# Altium PCB Test.PcbDoc (part 2 of 7)
Units mm, origin at the board's own origin, x right, y up, seen from the top; angles counter-clockwise.
Board outline 127 x 60.96 mm, 8 copper layers (TOP, LY2 - GND, LY3 - SIG, LY4 - GND, LY5 - SIG, LY6 - SIG, LY7 - GND, BOTTOM), stack 1.458 mm thick; 279 components, 237 nets, 1232 pads, 1515 vias.
Unrouted connection lines stored in the file: 100.
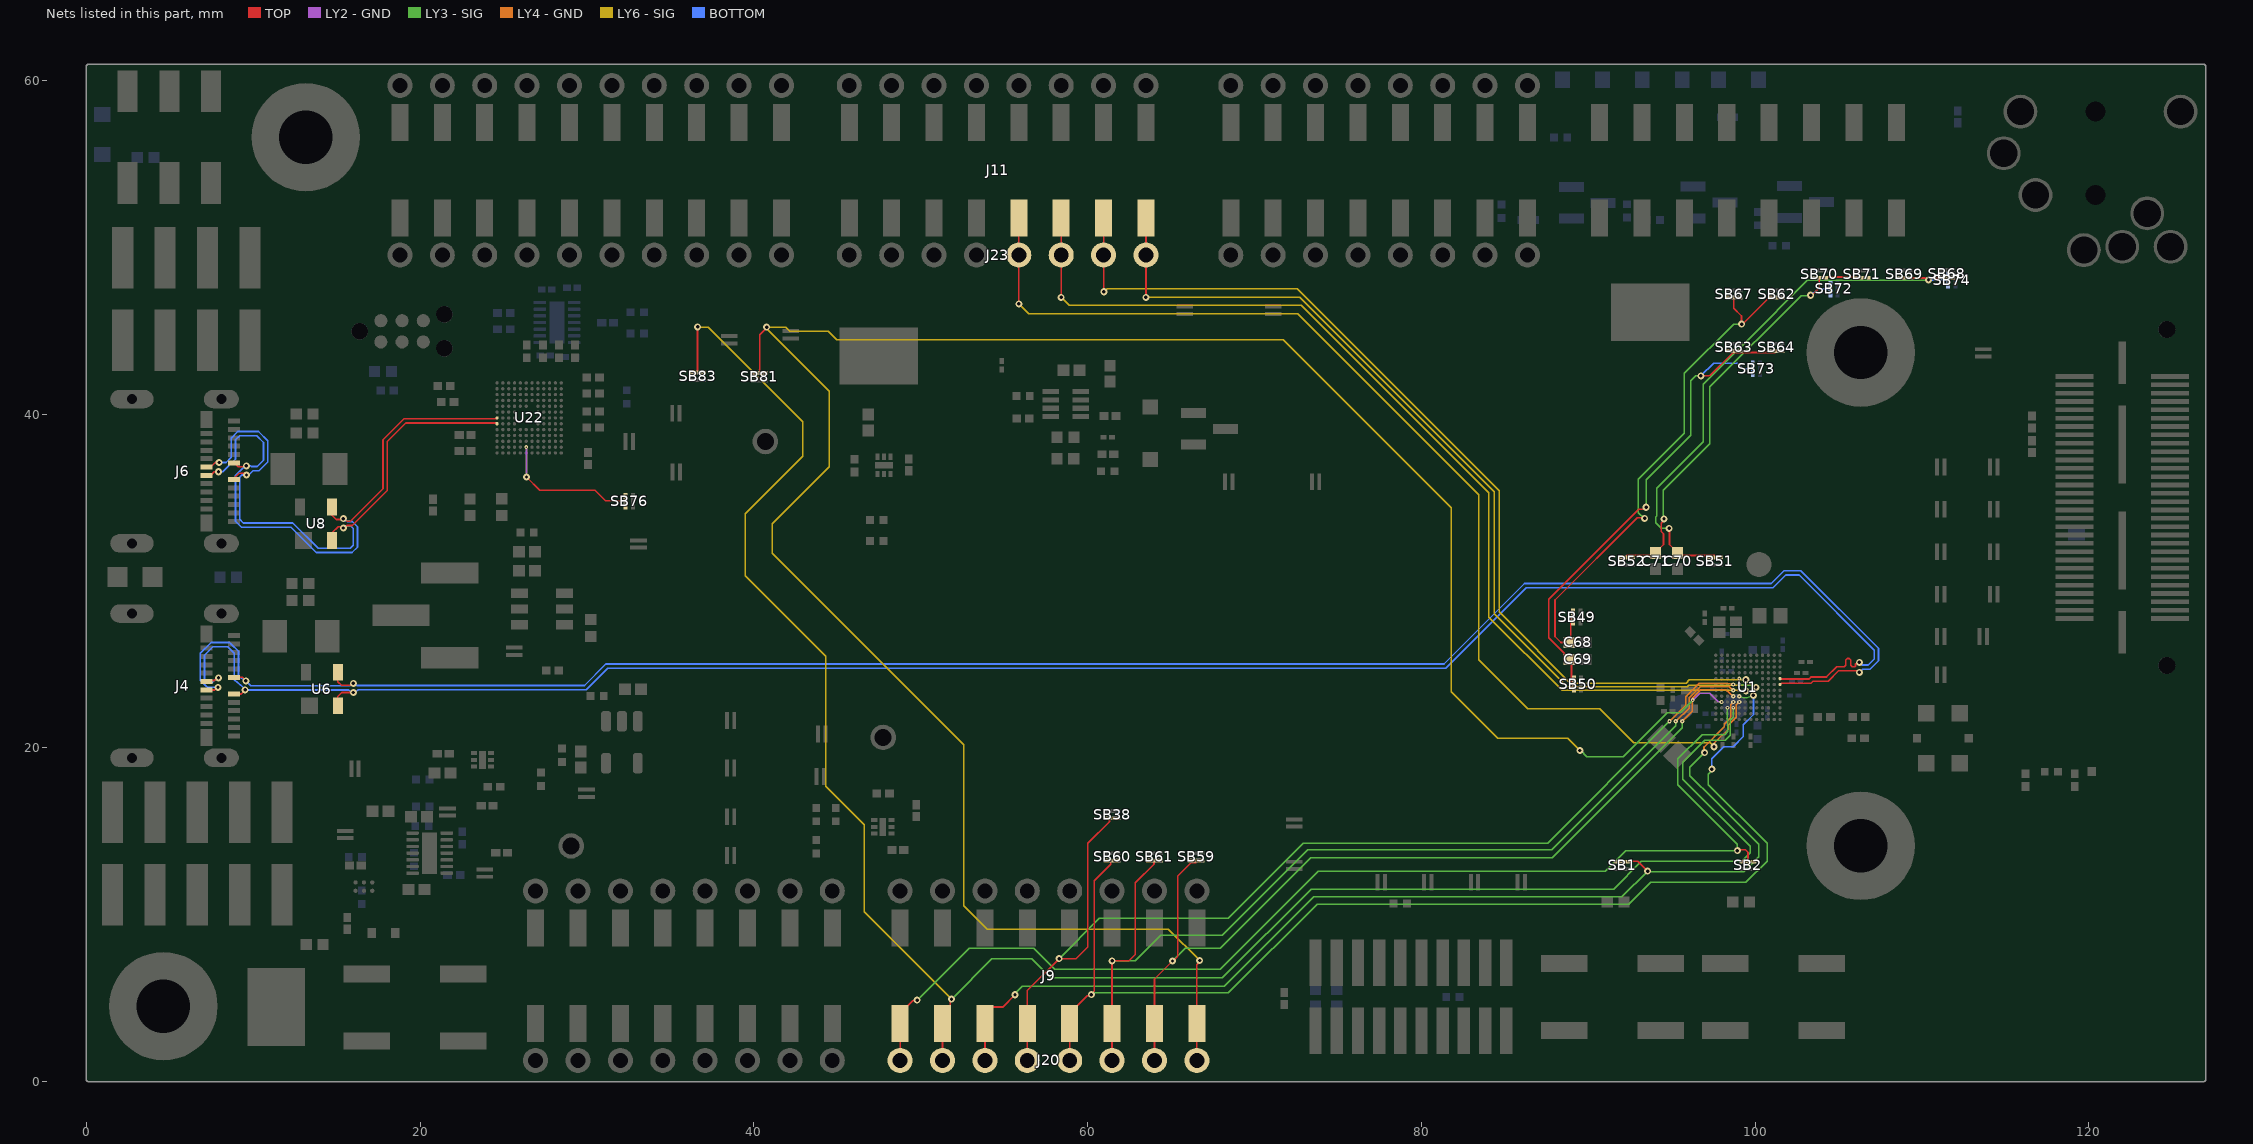
[diagram p8: the nets of this part, all layers, seen from the top]

## Part data
A1: library part PCB_ANTENNA, "None", AMBIQ PN=PCB_ANTENNA
C1 C29 C39 C41 C46 C64 C66 C76 C77 C85 C96: library part 0201ZD104KAT2A, "NONE", Case Code (Imperial)=0201, Case Code (Metric)=0603, Manufacturer="Kyocera AVX", Max Operating Temperature=85癈, Min Operating Temperature=-55癈, Tolerance=10%, Voltage Rating=10V, AMBIQ PN=0201ZD104KAT2A, Capacitance=100nF, Case/Package=0201, Category="Ceramic Capacitors", ComponentLink1Description=http://www.mouser.com/ds/2/40/cx5r-776519.pdf?src-supplier=Mouser, ComponentLink1URL=http://www.mouser.com/ds/2/40/cx5r-776519.pdf?src-supplier=Mouser, Lead Free="Lead Free", Manufacturer Part Number=0201ZD104KAT2A, Mount="Surface Mount", Packaging="Tape and Reel", Pricing 1="15000=0.00770, 30000=0.00750, 45000=0.00740, 60000=0.00720, 75000=0.00690, 150000=0.00620 (USD)", RoHS=Yes, RoHS Compliant=Yes, Series=-, Stock 1=105000, Supplier 1="Arrow Electronics", Supplier Part Number 1=0201ZD104KAT2A, Voltage Rating (DC)=10V
C2 C3 C5: library part GRM1555C1H2R0WA01D, "NONE", Case Code (Imperial)=0402, Case Code (Metric)=1005, Dielectric=C0G, Manufacturer=Murata, Tolerance=1%, AMBIQ PN=GRM1555C1H2R0WA01D, Capacitance=2pF, Case/Package=0402, Category="Ceramic Capacitors", Manufacturer Part Number=GRM1555C1H2R0WA01D, Mount="Surface Mount", Pricing 1="1=0.10000, 10=0.05720, 25=0.05660, 100=0.03540, 250=0.03000 (USD)", RoHS=Yes, Stock 1=54, Supplier 1="Arrow Electronics", Supplier Part Number 1=GRM1555C1H2R0WA01D
C4: library part GRM1555C1H1R5CA01D, "NONE", Case Code (Imperial)=0402, Case Code (Metric)=1005, Manufacturer=Murata, AMBIQ PN=GRM1555C1H1R5CA01D, Capacitance=1.5pF, Case/Package=0402, Category="Ceramic Capacitors", Manufacturer Part Number=GRM1555C1H1R5CA01D, Mount="Surface Mount", Mounting Technology="Surface Mount", Pricing 1="10000=0.00487, 20000=0.00476, 40000=0.00465 (USD)", RoHS=Yes, Stock 1=20000, Supplier 1=Avnet, Supplier Part Number 1=GRM1555C1H1R5CA01D
C6 C38: library part GRM155R60G475ME87D, "NONE", Case Code (Imperial)=0402, Case Code (Metric)=1005, Dielectric=X5R, Manufacturer=Murata, Max Operating Temperature=85癈, Min Operating Temperature=-55癈, Tolerance=20%, VOLTAGE=4V, AMBIQ PN=GRM155R60G475ME87D, Capacitance=4.7uF, Case/Package=0402, Category="Ceramic Capacitors", ComponentLink1Description=https://datasheet.ciiva.com/11613/c02e-11613181.pdf?src-supplier=Avnet, ComponentLink1URL=https://datasheet.ciiva.com/11613/c02e-11613181.pdf?src-supplier=Avnet, Construction=Flat, Depth=0.5mm, Height=0.5mm, Lead Free="Lead Free", Length=1mm, Manufacturer Part Number=GRM155R60G475ME87D, Mount="Surface Mount", Packaging="Tape and Reel", Pricing 1="1=0.12440, 10=0.07530, 25=0.07460, 100=0.04310, 250=0.04270, 500=0.02940, 1000=0.02580, 3000=0.02370, 6000=0.02210, 15000=0.021", Radiation Hardening=No, REACH SVHC="No SVHC", RoHS=Yes, RoHS Compliant=Yes, Series=GRM, Stock 1=79890, Supplier 1="Arrow Electronics", Supplier Part Number 1=GRM155R60G475ME87D, Thickness=0.026inch, Voltage Rating=4V, Voltage Rating (DC)=4V, Width=0.02inch
C7 C8: library part GRM0335C1H4R0BA01D, "NONE", Case Code (Imperial)=0201, Case Code (Metric)=0603, Dielectric=C0G, Manufacturer=Murata, Max Operating Temperature=125癈, Min Operating Temperature=-55癈, Package Quantity=15000, Voltage Rating=50V, AMBIQ PN=GRM0335C1H4R0BA01D, Capacitance=4pF, Case/Package=0201, Category="Ceramic Capacitors", ComponentLink1Description=http://www.mouser.com/ds/2/281/c02e-2905.pdf?src-supplier=Mouser, ComponentLink1URL=http://www.mouser.com/ds/2/281/c02e-2905.pdf?src-supplier=Mouser, Depth=0.3mm, Height=0.3mm, Length=0.6mm, Manufacturer Part Number=GRM0335C1H4R0BA01D, Mount="Surface Mount", Packaging="Tape and Reel", Pricing 1="1=0.09680, 10=0.01620, 25=0.01560, 100=0.00890, 250=0.00860, 500=0.00620, 3000=0.00530 (USD)", RoHS=Yes, Series=GRM, Stock 1=3508, Supplier 1="Arrow Electronics", Supplier Part Number 1=GRM0335C1H4R0BA01D, Termination=SMD/SMT, Thickness=0.013inch, Voltage Rating (DC)=50V, Width=0.012inch
C9 C93: library part GRM155R61C472KA01D, "NONE", Case Code (Imperial)=0402, Case Code (Metric)=1005, Dielectric=X5R, Manufacturer=Murata, Max Operating Temperature=85癈, Min Operating Temperature=-55癈, Package Quantity=10000, Tolerance=10%, Voltage Rating=16V, AMBIQ PN=GRM155R61C472KA01D, Capacitance=4.7nF, Case/Package=0402, Category="Ceramic Capacitors", ComponentLink1Description=https://datasheet.ciiva.com/11620/product-11620403.pdf?src-supplier=Avnet, ComponentLink1URL=https://datasheet.ciiva.com/11620/product-11620403.pdf?src-supplier=Avnet, Construction=Flat, Depth=0.5mm, Height=0.5mm, Length=1mm, Manufacturer Part Number=GRM155R61C472KA01D, Mount="Surface Mount", Packaging="Tape and Reel", Pricing 1="1=0.07090 (USD)", Radiation Hardening=No, RoHS=Yes, RoHS Compliant=Yes, Series=GRM, Stock 1=3, Supplier 1="Arrow Electronics", Supplier Part Number 1=GRM155R61C472KA01D, Termination=SMD/SMT, Thickness=0.022inch, Voltage Rating (DC)=16V, Width=0.02inch
C10 C11: library part GRM0335C1H6R0BA01D, "NONE", Case Code (Imperial)=0201, Case Code (Metric)=0603, Dielectric=C0G, Manufacturer=Murata, Max Operating Temperature=125癈, Min Operating Temperature=-55癈, Package Quantity=15000, Voltage Rating=50V, AMBIQ PN=GRM0335C1H6R0BA01D, Capacitance=6pF, Case/Package=0201, Category="Ceramic Capacitors", ComponentLink1Description=http://www.mouser.com/ds/2/281/c02e-2905.pdf?src-supplier=Mouser, ComponentLink1URL=http://www.mouser.com/ds/2/281/c02e-2905.pdf?src-supplier=Mouser, Height=0.3mm, Length=0.024inch, Manufacturer Part Number=GRM0335C1H6R0BA01D, Mount="Surface Mount", Packaging="Tape and Reel", Pricing 1="1=0.06400, 10=0.01810, 25=0.01250, 100=0.00850, 250=0.00840, 500=0.00620, 1000=0.00510, 3000=0.00460 (USD)", RoHS=Yes, RoHS Compliant=Yes, Series=GRM, Stock 1=4052, Supplier 1="Arrow Electronics", Supplier Part Number 1=GRM0335C1H6R0BA01D, Termination=SMD/SMT, Thickness=0.013inch, Voltage Rating (DC)=50V, Width=0.012inch
C12 C17 C18 C19 C21 C22 C23 C24 C25 C26 C27 C42: library part GRM033R61A225KE47D, "NONE", Case Code (Imperial)=0201, Case Code (Metric)=0603, Dielectric=X5R, Manufacturer=Murata, Max Operating Temperature=85癈, Min Operating Temperature=-55癈, Tolerance=10%, Voltage Rating=10V, AMBIQ PN=GRM033R61A225KE47D, Capacitance=2.2uF, Case/Package=0201, Category="Ceramic Capacitors", ComponentLink1Description=http://search.murata.co.jp/Ceramy/image/img/A01X/G101/ENG/GRM033R61A225KE47-01.pdf?src-supplier=Digi-Key, ComponentLink1URL=http://search.murata.co.jp/Ceramy/image/img/A01X/G101/ENG/GRM033R61A225KE47-01.pdf?src-supplier=Digi-Key, Length=0.024inch, Manufacturer Part Number=GRM033R61A225KE47D, Mount="Surface Mount", Packaging="Tape and Reel", Pricing 1="1=0.27590, 10=0.23000, 25=0.18010, 100=0.10000, 250=0.09900, 500=0.06860, 1000=0.06790, 3000=0.06720, 6000=0.05140, 15000=0.050", RoHS=Yes, RoHS Compliant=Yes, Stock 1=990, Supplier 1="Arrow Electronics", Supplier Part Number 1=GRM033R61A225KE47D, Thickness=0.015inch, Voltage Rating (DC)=10V, Width=0.012inch
C13 C14 C15 C16 C20 C28 C43 C47 C60 C63 C67 C79 C80 C81 C82 C83 C87 C88: library part GRM033R61A105ME15D, "NONE", Case Code (Imperial)=0201, Case Code (Metric)=0603, Dielectric=X5R, Manufacturer=Murata, Max Operating Temperature=85癈, Min Operating Temperature=-55癈, Tolerance=20%, Voltage Rating=10V, AMBIQ PN=GRM033R61A105ME15D, Capacitance=1uF, Case/Package=0201, Category="Ceramic Capacitors", ComponentLink1Description=http://search.murata.co.jp/Ceramy/image/img/A01X/G101/ENG/GRM033R61A105ME15-01.pdf?src-supplier=Digi-Key, ComponentLink1URL=http://search.murata.co.jp/Ceramy/image/img/A01X/G101/ENG/GRM033R61A105ME15-01.pdf?src-supplier=Digi-Key, Length=0.024inch, Manufacturer Part Number=GRM033R61A105ME15D, Mount="Surface Mount", Packaging="Tape and Reel", Pricing 1="1=0.35440, 10=0.26860, 25=0.26600, 50=0.24050, 100=0.18220, 250=0.18020, 500=0.17800, 1000=0.12040, 3000=0.11920, 6000=0.08160,", RoHS=Yes, RoHS Compliant=Yes, Stock 1=387591, Supplier 1="Arrow Electronics", Supplier Part Number 1=GRM033R61A105ME15D, Thickness=0.015inch, Voltage Rating (DC)=10V, Width=0.012inch
C30 C34 C35 C37 C40 C74 C75 C78: library part CL05A105KP5NNNC, "NONE", Case Code (Imperial)=0402, Case Code (Metric)=1005, Dielectric=X5R, Manufacturer=Samsung, Manufacturer Part Number=CL05A105MP5NNNC, Max Operating Temperature=85癈, Min Operating Temperature=-55癈, Package Quantity=1, Supplier Part Number 1=82AC9184, Tolerance=20%, Voltage Rating=10V, AMBIQ PN=CL05A105KP5NNNC, Capacitance=1uF, Case/Package=0402, Category="Ceramic Capacitors", ComponentLink1Description=https://datasheet.ciiva.com/25802/cl05a105mp5nnnc-25802049.pdf?src-supplier=Digi-Key, ComponentLink1URL=https://datasheet.ciiva.com/25802/cl05a105mp5nnnc-25802049.pdf?src-supplier=Digi-Key, Construction=Flat, Depth=0.5mm, Height=0.5mm, Lead Free="Lead Free", Length=1mm, Mount="Surface Mount", Packaging="Tape and Reel", Radiation Hardening=No, RoHS=Yes, RoHS Compliant=Yes, Series=CL, Supplier 1=Newark, Thickness=0.022inch, Voltage Rating (DC)=10V, Width=0.02inch
C31 C32 C33 C84 C86 C89 C90 C91 C92 C94 C95: library part CL05A225KP5NNNC, "NONE", Case Code (Imperial)=0402, Case Code (Metric)=1005, Manufacturer=Samsung, Max Operating Temperature=85癈, Min Operating Temperature=-55癈, Package Quantity=1, Tolerance=10%, Voltage Rating=10V, AMBIQ PN=CL05A225KP5NNNC, Capacitance=2.2uF, Case/Package=0402, Category="Ceramic Capacitors", ComponentLink1Description=https://datasheet.ciiva.com/25727/cl05a225kp5nnnc-25727777.pdf?src-supplier=Digi-Key, ComponentLink1URL=https://datasheet.ciiva.com/25727/cl05a225kp5nnnc-25727777.pdf?src-supplier=Digi-Key, Length=0.039inch, Manufacturer Part Number=CL05A225KP5NNNC, Mount="Surface Mount", Packaging="Tape and Reel", Pricing 1="1=0.14620, 10=0.09980, 25=0.09880, 100=0.05200, 250=0.05150, 500=0.03630, 1000=0.02990, 3000=0.02760, 6000=0.02610, 15000=0.023", RoHS=Yes, RoHS Compliant=Yes, Series=CL, Stock 1=32414, Supplier 1="Arrow Electronics", Supplier Part Number 1=CL05A225KP5NNNC, Thickness=0.022inch, Voltage Rating (DC)=10V, Width=0.02inch
C36 C61 C62 C68 C69 C70 C71: library part GRM155R71C104KA88D, "NONE", Capacitance=100nF, Case Code (Imperial)=0402, Case Code (Metric)=1005, Dielectric=X7R, Dielectric Material=Ceramic, Insulation Resistance=10GR, Manufacturer=Murata, Max Operating Temperature=125癈, Min Operating Temperature=-55癈, Package Quantity=1, Tolerance=10%, VOLTAGE=16V, AMBIQ PN=GRM155R71C104KA88D, Case/Package=0402, Category="Ceramic Capacitors", ComponentLink1Description=https://datasheet.ciiva.com/129/grm155r71c104ka88-01-129739.pdf?src-supplier=Digi-Key, ComponentLink1URL=https://datasheet.ciiva.com/129/grm155r71c104ka88-01-129739.pdf?src-supplier=Digi-Key, ComponentLink2Description=https://datasheet.ciiva.com/129/grm155r71c104ka88-01-129740.pdf?src-supplier=Digi-Key, ComponentLink2URL=https://datasheet.ciiva.com/129/grm155r71c104ka88-01-129740.pdf?src-supplier=Digi-Key, ComponentLink3Description=https://datasheet.ciiva.com/18102/getdatasheetpartid-85307-18102905.pdf?src-supplier=Verical, ComponentLink3URL=https://datasheet.ciiva.com/18102/getdatasheetpartid-85307-18102905.pdf?src-supplier=Verical, Depth=0.5mm, Height=0.5mm, Lead Free="Lead Free", Length=1mm, Manufacturer Part Number=GRM155R71C104KA88D, Material=Ceramic, Mount="Surface Mount", Number of Pins=2, Packaging="Tape and Reel", Pricing 1="10000=0.00270, 30000=0.00220, 250000=0.00210 (USD)", Radiation Hardening=No, REACH SVHC="No SVHC", RoHS=Yes, RoHS Compliant=Yes, Stock 1=20200000, Supplier 1="Arrow Electronics", Supplier Part Number 1=GRM155R71C104KA88D, Termination=SMD/SMT, Thickness=0.022inch, Voltage Rating=16V, Voltage Rating (DC)=16V, Width=0.5mm
C44 C45 C65 C72 C73: library part GRM1555C1H102JA01D, "NONE", Case Code (Imperial)=0402, Case Code (Metric)=1005, Dielectric=C0G, Dielectric Material=Ceramic, Insulation Resistance=10GR, Manufacturer=Murata, Max Operating Temperature=125癈, Min Operating Temperature=-55癈, Package Quantity=1, Temperature Coefficient=30ppm/癈, Tolerance=5%, VOLTAGE=50V, AMBIQ PN=GRM1555C1H102JA01D, Capacitance=1nF, Case/Package=0402, Category="Ceramic Capacitors", ComponentLink1Description=https://datasheet.ciiva.com/34302/1855908-34302849.pdf?src-supplier=Jameco, ComponentLink1URL=https://datasheet.ciiva.com/34302/1855908-34302849.pdf?src-supplier=Jameco, Construction=Flat, Depth=0.5mm, Height=0.5mm, Lead Free="Lead Free", Length=1mm, Manufacturer Part Number=GRM1555C1H102JA01D, Material=Ceramic, Mount="Surface Mount", Number of Pins=2, Packaging="Tape and Reel", Pricing 1="10000=0.00710, 20000=0.00680, 30000=0.00660, 50000=0.00590, 100000=0.00470 (USD)", Radiation Hardening=No, REACH SVHC="No SVHC", RoHS=Yes, RoHS Compliant=Yes, Series=GRM, Size=0.5mm, Stock 1=3380000, Supplier 1="Arrow Electronics", Supplier Part Number 1=GRM1555C1H102JA01D, Termination=SMD/SMT, Thickness=0.022inch, Voltage Rating=50V, Voltage Rating (DC)=50V, Width=0.5mm
D1: "None", Manufacturer=Nexperia, Supplier Part Number 1=1704867, AMBIQ PN=PESD5V0X1UB,135, Category="ESD and Circuit Protection ICs", ComponentLink1Description=https://www.mouser.com/ds/2/302/PESD5V0X1UB-1151612.pdf?src-supplier=Mouser, ComponentLink1URL=https://www.mouser.com/ds/2/302/PESD5V0X1UB-1151612.pdf?src-supplier=Mouser, Manufacturer Part Number=PESD5V0X1UB,135, Pricing 1="10000=0.12700 (USD)", RoHS=Yes, RoHS Compliant=Yes, Stock 1=1, Supplier 1=RSComponents
D2: library part LTST-C170KGKT, "None", Case Code (Imperial)=0805, Case Code (Metric)=2012, Color=Green, Forward Current=30mA, Forward Voltage=2V, Lens Color=Colorless, Manufacturer="Vishay Lite-On", Max Operating Temperature=85癈, Min Operating Temperature=-55癈, Package Quantity=1, Power Dissipation=75mW, Reverse Voltage=5V, Test Current=20mA, AMBIQ PN=LTST-C170KGKT, Case/Package=0805, Category=LEDs, ComponentLink1Description=https://datasheet.ciiva.com/11775/0900766b80dc027a-11775627.pdf?src-supplier=RSComponents, ComponentLink1URL=https://datasheet.ciiva.com/11775/0900766b80dc027a-11775627.pdf?src-supplier=RSComponents, ComponentLink2URL=https://datasheet.ciiva.com/12400/lite-on-ltst-c170kgkt-187430-12400681.pdf?src-supplier=Mouser, Depth=1.25mm, Dominant Wavelength=571nm, Height=1.1mm, Illumination Color=Green, Lead Free="Lead Free", Length=2mm, Lens Style=Diffused,Colorless,Clear,Rectangular, Lens Transparency=Clear, Luminous Intensity=35mcd, Manufacturer Part Number=LTST-C170KGKT, Mount="Surface Mount", Number of Elements=1, Number of LEDs=1, Number of Pins=2, Packaging="Tape and Reel", Power Rating=75mW, Pricing 1="3000=0.03680, 6000=0.03650, 15000=0.03610, 30000=0.03280, 75000=0.02980 (USD)", Radiation Hardening=No, RoHS=Yes, RoHS Compliant=Yes, Series=-, Stock 1=33000, Supplier 1="Arrow Electronics", Supplier Part Number 1=LTST-C170KGKT, Viewing Angle=130皘ISIMPORTED=TRUE, Wavelength=574nm, Width=1.25mm
D3 D4 D5 D8: "None", Case/Package=SMD/SMT, Color=Blue, Forward Voltage=3.3V, Lens Color=Colorless, Manufacturer=Kingbright, Supplier Part Number 1=754-2102-1-ND, Test Current=20mA, AMBIQ PN=APA2107VBC/D, Category=LEDs, ComponentLink1Description=http://www.kingbrightusa.com/images/catalog/SPEC/APA2107VBC-D.pdf?src-supplier=Digi-Key, ComponentLink1URL=http://www.kingbrightusa.com/images/catalog/SPEC/APA2107VBC-D.pdf?src-supplier=Digi-Key, Dominant Wavelength=470nm, Height=0.7mm, Length=2.1mm, Lens Size=0.6mm, Lens Style=Domed, Lens Transparency=Clear, Luminous Intensity=200mcd, Manufacturer Part Number=APA2107VBC/D, Mount="Surface Mount", Packaging="Tape and Reel", Pricing 1="1=0.61000, 10=0.37500, 100=0.21560, 1000=0.16871 (USD)", RoHS=Yes, RoHS Compliant=Yes, Stock 1=6712, Supplier 1=Digi-Key, Viewing Angle=120皘ISIMPORTED=TRUE, Width=1mm
D7: library part 1N5819HW-7-F, "None", Average Rectified Current=1A, Capacitance=110pF, Case/Package=SOD-123-2, Forward Voltage=450mV, Manufacturer=Diodes, Max Forward Surge Current (Ifsm)=25A, Max Operating Temperature=125癈, Max Power Dissipation=450mW, Max Repetitive Reverse Voltage (Vrrm)=40V, Max Reverse Current=50uA, Min Operating Temperature=-65癈, Package Quantity=3000, Supplier Part Number 1=7082197, AMBIQ PN=1N5819HW-7-F, Category="Schottky Diodes", ComponentLink1Description=https://datasheet.ciiva.com/27092/1538419-27092484.pdf?src-supplier=Jameco, ComponentLink1URL=https://datasheet.ciiva.com/27092/1538419-27092484.pdf?src-supplier=Jameco, Contact Plating=Tin,Matte, Current Rating=1A, Element Configuration=Single, Forward Current=1A, Height=1.25mm, Lead Free="Lead Free", Length=2.85mm, Manufacturer Part Number=1N5819HW-7-F, Max Reverse Voltage (DC)=40V, Number of Pins=2, Output Current=1A, Packaging="Tape and Reel", Peak Non-Repetitive Surge Current=25A, Polarity=Standard, Pricing 1="25=0.32800, 150=0.18600, 750=0.12400, 1500=0.09400 (GBP)", Radiation Hardening=No, REACH SVHC="No SVHC", RoHS=Yes, RoHS Compliant=Yes, Series=-, Stock 1=100, Supplier 1=RSComponents, Termination=SMD/SMT, Voltage Rating (DC)=40V, Weight=0.000353oz, Width=1.7mm
FB1 FB2: library part FBMJ3216HS800-T, "NONE", Case Code (Imperial)=1206, Case Code (Metric)=3216, DC Resistance (DCR)=10mR, Frequency=100MHz, Manufacturer="Taiyo Yuden", Max Current Rating=4A, Max Operating Temperature=125癈, Min Operating Temperature=-40癈, Package Quantity=1, Resistor Type="Ferrite Bead", Supplier Part Number 1=86H5353, Tolerance=25%, AMBIQ PN=FBMJ3216HS800-T, Case/Package=1206, Category="Ferrite Beads and Chips", ComponentLink1Description=https://datasheet.ciiva.com/5709/chipbeads01-e-5709344.pdf?src-supplier=Farnell, ComponentLink1URL=https://datasheet.ciiva.com/5709/chipbeads01-e-5709344.pdf?src-supplier=Farnell, ComponentLink2Description=https://datasheet.ciiva.com/16001/202fbmj3216hs800-t-16001070.pdf?src-supplier=Onlinecomponents.com, ComponentLink2URL=https://datasheet.ciiva.com/16001/202fbmj3216hs800-t-16001070.pdf?src-supplier=Onlinecomponents.com, ComponentLink3Description=https://datasheet.ciiva.com/30088/23fbmj3216hs800-t-30088710.pdf?src-supplier=Onlinecomponents.com, ComponentLink3URL=https://datasheet.ciiva.com/30088/23fbmj3216hs800-t-30088710.pdf?src-supplier=Onlinecomponents.com, ComponentLink4Description=https://datasheet.ciiva.com/23606/fbmj3216hs800-t-ss-23606768.pdf?src-supplier=Newark, ComponentLink4URL=https://datasheet.ciiva.com/23606/fbmj3216hs800-t-ss-23606768.pdf?src-supplier=Newark, ComponentLink5Description=https://datasheet.ciiva.com/25614/0900766b810b37be-25614395.pdf?src-supplier=RSComponents, ComponentLink5URL=https://datasheet.ciiva.com/25614/0900766b810b37be-25614395.pdf?src-supplier=RSComponents, ComponentLink6Description=https://datasheet.ciiva.com/6212/chipbeads01-e-6212909.pdf?src-supplier=Digi-Key, ComponentLink6URL=https://datasheet.ciiva.com/6212/chipbeads01-e-6212909.pdf?src-supplier=Digi-Key, ComponentLink7Description=https://datasheet.ciiva.com/7966/chipbeads01-e-7966171.pdf?src-supplier=Element14, ComponentLink7URL=https://datasheet.ciiva.com/7966/chipbeads01-e-7966171.pdf?src-supplier=Element14, Core Material=Ferrite, Depth=1.8mm, Halogen Free="Halogen Free", Height=1.3mm, Impedance=80R, Lead Free="Lead Free", Length=3.2mm, Manufacturer Part Number=FBMJ3216HS800-T, Material=Ferrite, Max DC Current=4A, Mount="Surface Mount", Number of Lines=1, Number of Pins=2, Packaging="Tape and Reel", Pricing 1="1=0.30000, 10=0.20700, 25=0.17700, 50=0.14800, 100=0.11800 (USD)", REACH SVHC="No SVHC", Resistance=10mR, RoHS=Yes, Series=FB, Shielding=Unshielded, Stock 1=265, Supplier 1=Newark, Termination=SMD/SMT, Test Frequency=100MHz, Width=0.063inch
J1: library part MM8430-2610RA1, "None", Case/Package=SMD/SMT, Housing Color=Silver, Manufacturer=Murata, Max Frequency=6GHz, Max Operating Temperature=85癈, Min Operating Temperature=-40癈, Package Quantity=1, AMBIQ PN=MM8430-2610RA1, Category="RF / Coaxial Connectors", ComponentLink1Description=https://datasheet.ciiva.com/642/o33e-642736.pdf?src-supplier=Digi-Key, ComponentLink1URL=https://datasheet.ciiva.com/642/o33e-642736.pdf?src-supplier=Digi-Key, Connector Type=Socket, Contact Material="Copper Alloy", Contact Plating=Gold, Depth=3mm, Fastening Type=Pull, Impedance=50R, Insulation Material=Plastic, Lead Free="Lead Free", Length=3mm, Manufacturer Part Number=MM8430-2610RA1, Mount="Surface Mount", Orientation=Straight, Packaging="Tape and Reel", Polarity=Standard, Pricing 1="1000=0.24630, 2000=0.22530, 5000=0.21890, 10000=0.21150 (USD)", Radiation Hardening=No, RoHS=Yes, Series=8430, Stock 1=2000, Supplier 1="Arrow Electronics", Supplier Part Number 1=MM8430-2610RA1, Termination=Solder
J2: library part TSM-105-01-S-DV-P-TR, "None", Color=Black, Manufacturer=Samtec, Max Current Rating=7A, Max Operating Temperature=125癈, Max Voltage Rating (AC)=475V, Min Operating Temperature=-55癈, Package Quantity=150, AMBIQ PN=TSM-105-01-S-DV-P-TR, Category="Headers and Wire Housings", ComponentLink1Description=https://datasheet.ciiva.com/739/tsm-1xx-xx-xxx-xx-x-xxx-x-mkt-739649.pdf?src-supplier=Digi-Key, ComponentLink1URL=https://datasheet.ciiva.com/739/tsm-1xx-xx-xxx-xx-x-xxx-x-mkt-739649.pdf?src-supplier=Digi-Key, Connector Type="Male Pin", Contact Material=Bronze, Contact Mating Length=0.23inch, Contact Plating=Gold, Contact Type="Male Pin", Depth=5.08mm, Gender=Male, Housing Color=Black, Housing Material=Polymer, Lead Free="Lead Free", Length=12.7mm, Manufacturer Part Number=TSM-105-01-S-DV-P-TR, Mount="Surface Mount", Number Of Contacts=10, Number of Positions=10, Number of Rows=2, Orientation=Straight, Packaging="Tape and Reel", Pitch=2.54mm, Radiation Hardening=No, REACH SVHC="No SVHC", RoHS=Yes, RoHS Compliant=Yes, Row Spacing=0.1inch, Series=TSM, Supplier 1="Arrow Electronics", Supplier Part Number 1=TSM-105-01-S-DV-P-TR, Termination=Solder
J3: "None", Color=Black, Flammability Rating="UL94 V-0", Manufacturer=Samtec, Max Current Rating=7A, Max Operating Temperature=125癈, Max Voltage Rating (AC)=475V, Min Operating Temperature=-55癈, Package Quantity=1, AMBIQ PN=TSM-104-01-S-DV, Category="Headers and Wire Housings", ComponentLink1Description=https://datasheet.ciiva.com/19461/2027522-19461911.pdf?src-supplier=Jameco, ComponentLink1URL=https://datasheet.ciiva.com/19461/2027522-19461911.pdf?src-supplier=Jameco, Connector Type=Header, Contact Finish - Mating=GOLD, Contact Material=Bronze, Contact Mating Length=0.23inch, Contact Plating=Gold, Contact Shape=Square, Contact Type="Male Pin", Depth=5.08mm, Fastening Type=Pull, Gender=Male, Height=9.65mm, Housing Color=Black, Housing Material=Polymer, Insulation Color=Black, Insulation Material=Polymer, Lead Free="Lead Free", Length=10.16mm, Manufacturer Part Number=TSM-104-01-S-DV, Number Of Contacts=8, Number of Positions=8, Number of Rows=2, Orientation=Vertical, Packaging=Rail/Tube, Pitch=2.54mm, Pricing 1="1=1.87000, 50=1.52000, 100=1.29000 (USD)", Radiation Hardening=No, REACH SVHC="No SVHC", RoHS=Yes, RoHS Compliant=Yes, Row Spacing=0.1inch, Series=TSM, Stock 1=21, Supplier 1="Arrow Electronics", Supplier Part Number 1=TSM-104-01-S-DV, Termination=Solder
J4 J6: library part 1054500101, "NONE", Case/Package=0101, Current Rating=5A, Flammability Rating="UL94 V-0", Insulation Color=Black, Manufacturer=Molex, Max Operating Temperature=85癈, Min Operating Temperature=-30癈, AMBIQ PN=1054500101, Category="USB Connectors", ComponentLink1Description=http://www.farnell.com/datasheets/2801634.pdf?src-supplier=Farnell, ComponentLink1URL=http://www.farnell.com/datasheets/2801634.pdf?src-supplier=Farnell, Connector Type=USB, Contact Material="Copper Alloy", Contact Plating=Gold, Features=Shielded, Gender=Receptacle, Housing Material=Thermoplastic, Length=8.94mm, Manufacturer Part Number=105450-0101, Mating Cycles=10000, Mount="Surface Mount,Through Hole,Horizontal", Number Of Contacts=24, Number of Pins=24, Number of Ports=1, Number of Terminals/Pins=24, Orientation="Right Angle", Packaging="Tape and Reel", Pitch=0.5mm, Pricing 1="1=2.15670, 10=1.78070, 25=1.76290, 100=1.52500, 250=1.50710, 500=1.41880 (USD)", REACH SVHC=Unknown, RoHS=Yes, RoHS Compliant=Yes, Shielding=Shielded, Stock 1=534, Supplier 1="Arrow Electronics", Supplier Part Number 1=105450-0101, Termination=Solder, USB Standard="USB 3.1"
J5: "None", Color=Black, Current Rating=7A, Manufacturer=Samtec, Max Operating Temperature=125癈, Max Voltage Rating (AC)=475V, Min Operating Temperature=-55癈, Package Quantity=1, AMBIQ PN=TSM-103-01-L-SV, Category="Headers and Wire Housings", ComponentLink1Description=https://datasheet.ciiva.com/739/tsm-1xx-xx-xxx-sv-xx-xxx-xx-mkt-739582.pdf?src-supplier=Digi-Key, ComponentLink1URL=https://datasheet.ciiva.com/739/tsm-1xx-xx-xxx-sv-xx-xxx-xx-mkt-739582.pdf?src-supplier=Digi-Key, Connector Type="Male Pin", Contact Material=Bronze, Contact Mating Length=0.23inch, Contact Plating=Gold, Contact Type="Male Pin", Depth=2.54mm, Gender=Male, Housing Color=Black, Housing Material=Polymer, Lead Free="Lead Free", Length=7.62mm, Manufacturer Part Number=TSM-103-01-L-SV, Max Current Rating=7A, Mount="Surface Mount", Number Of Contacts=3, Number of Positions=3, Number of Rows=1, Orientation=Straight, Packaging=Bulk, Pitch=2.54mm, Pricing 1="1=0.58000, 50=0.45000, 100=0.37000 (USD)", Radiation Hardening=No, REACH SVHC="No SVHC", RoHS=Yes, Series=TSM, Stock 1=365, Supplier 1="Arrow Electronics", Supplier Part Number 1=TSM-103-01-L-SV, Termination=Solder, Voltage Rating=475V
J7 J9 J10 J11 J17: library part SSM-108-L-DV, "None", Color=Black, Contact Resistance=10mR, Manufacturer=Samtec, Max Current Rating=6.9A, Max Operating Temperature=125癈, Max Voltage Rating (AC)=475V, Min Operating Temperature=-55癈, Supplier Part Number 1=11P7889, AMBIQ PN=SSM-108-L-DV, Category="Headers and Wire Housings", ComponentLink1Description=https://datasheet.ciiva.com/746/ssm-1xx-xxx-dv-xx-xx-x-xx-mkt-746637.pdf?src-supplier=Digi-Key, ComponentLink1URL=https://datasheet.ciiva.com/746/ssm-1xx-xxx-dv-xx-xx-x-xx-mkt-746637.pdf?src-supplier=Digi-Key, Connector Type=Receptacle, Contact Material=Bronze, Contact Plating=Gold, Contact Type="Female Socket", Depth=5.08mm, Gender=Receptacle, Housing Color=Black, Housing Material=Polymer, Lead Free="Lead Free", Length=20.32mm, Manufacturer Part Number=SSM-108-L-DV, Number Of Contacts=16, Number of Positions=16, Number of Rows=2, Orientation=Vertical, Packaging=Bulk, Pitch=2.54mm, Pricing 1="1=6.04000, 50=5.23000, 100=4.43000, 500=3.14000, 1000=2.38000 (USD)", Radiation Hardening=No, REACH SVHC="No SVHC", RoHS=Yes, RoHS Compliant=Yes, Row Spacing=0.1inch, Series=SSM, Stock 1=2149, Supplier 1=Newark, Termination=Solder, Width=5.08mm
J8: "None", Current Rating=1A, Housing Color=Black, Manufacturer=Samtec, Max Operating Temperature=125癈, Max Voltage Rating (AC)=125V, Min Operating Temperature=-55癈, AMBIQ PN=QSH-030-01-L-D-A, Category="Board to Board Connectors", ComponentLink1Description=https://datasheet.ciiva.com/25618/0900766b8115a597-25618083.pdf?src-supplier=RSComponents, ComponentLink1URL=https://datasheet.ciiva.com/25618/0900766b8115a597-25618083.pdf?src-supplier=RSComponents, Connector Type=Receptacle, Contact Material=Bronze, Contact Plating=Gold, Depth=7.49mm, Gender=Receptacle, Housing Material=Polymer, Lead Free="Lead Free", Length=21.27mm, Manufacturer Part Number=QSH-030-01-L-D-A, Mated Stacking Heights=25mm, Mount="Surface Mount", Number Of Contacts=60, Number of Positions=60, Number of Rows=2, Orientation=Straight, Packaging=Tray, Pitch=0.5mm, Pricing 1="96=10.29850 (USD)", Radiation Hardening=No, REACH SVHC="No SVHC", RoHS=Yes, RoHS Compliant=Yes, Row Spacing=3.81mm, Series="Q Strip?QSH", Stock 1=434, Supplier 1="Arrow Electronics", Supplier Part Number 1=QSH-030-01-L-D-A, Termination=Solder, Voltage Rating=125V
J12: library part SSM-110-L-DV, "None", Color=Black, Contact Resistance=10mR, Current Rating=6.9A, Manufacturer=Samtec, Max Operating Temperature=125癈, Max Voltage Rating (AC)=475V, Min Operating Temperature=-55癈, AMBIQ PN=SSM-110-L-DV, Category="Headers and Wire Housings", ComponentLink1Description=https://datasheet.ciiva.com/25617/0900766b81159474-25617983.pdf?src-supplier=RSComponents, ComponentLink1URL=https://datasheet.ciiva.com/25617/0900766b81159474-25617983.pdf?src-supplier=RSComponents, Connector Type=Receptacle, Contact Material=Bronze, Contact Plating=Gold, Contact Type="Female Socket", Depth=5.08mm, Gender=Receptacle, Housing Color=Black, Housing Material=Polymer, Lead Free="Lead Free", Length=25.4mm, Manufacturer Part Number=SSM-110-L-DV, Max Current Rating=6.9A, Number Of Contacts=20, Number of Positions=20, Number of Rows=2, Orientation=Vertical, Packaging=Bulk, Pitch=2.54mm, Pricing 1="22=4.30780, 66=3.51400, 110=2.98480 (USD)", Radiation Hardening=No, REACH SVHC="No SVHC", RoHS=Yes, RoHS Compliant=Yes, Row Spacing=0.1inch, Series=SSM, Stock 1=117, Supplier 1="Arrow Electronics", Supplier Part Number 1=SSM-110-L-DV, Termination=Solder, Voltage Rating=475V, Voltage Rating (AC)=475V
J13: "None", Color=Black, Manufacturer=Samtec, Max Current Rating=1.75A, Max Operating Temperature=125癈, Min Operating Temperature=-55癈, Package Quantity=400, AMBIQ PN=FTSH-110-01-L-DV-K-P-TR, Category="Headers and Wire Housings", ComponentLink1Description=https://datasheet.ciiva.com/738/ftsh-1xx-xx-xxx-dv-xxx-mkt-738875.pdf?src-supplier=Digi-Key, ComponentLink1URL=https://datasheet.ciiva.com/738/ftsh-1xx-xx-xxx-dv-xxx-mkt-738875.pdf?src-supplier=Digi-Key, Connector Type="Male Pin", Contact Material=Bronze, Contact Mating Length=0.12inch, Contact Plating=Gold, Contact Type="Male Pin", Depth=3.43mm, Housing Color=Black, Housing Material=Polymer, Lead Free="Lead Free", Length=12.7mm, Manufacturer Part Number=FTSH-110-01-L-DV-K-P-TR, Mount="Surface Mount", Number Of Contacts=20, Number of Positions=20, Number of Rows=2, Orientation=Straight, Packaging="Tape and Reel", Pitch=1.27mm, Pricing 1="400=4.22000 (USD)", Radiation Hardening=No, RoHS=Yes, Row Spacing=0.05inch, Series=FTSH, Stock 1=3600, Supplier 1="Arrow Electronics", Supplier Part Number 1=FTSH-110-01-L-DV-K-P-TR, Termination=Solder
J14 J15 J19 J20 J21 J22 J23 J24: library part TP_ARRAY_1X8, "None", AMBIQ PN=TP_ARRAY_1X8
J18: "None", Body Color=Silver, Color=Black, Current Rating=1A, Manufacturer=CUI, Voltage Rating=12V, AMBIQ PN=SJ-435107, Body Material=Brass, Category="Audio / Video Cables", ComponentLink1Description=https://www.cui.com/product/resource/digikeypdf/sj-435107.pdf?src-supplier=Digi-Key, ComponentLink1URL=https://www.cui.com/product/resource/digikeypdf/sj-435107.pdf?src-supplier=Digi-Key, Connector Type=Jack, Contact Plating=Tin, Gender=Female, Lead Free="Lead Free", Manufacturer Part Number=SJ-435107, Mount="Through Hole", Number of Conductors=4, Number of Ports=1, Orientation=Horizontal, Packaging=Bulk, RoHS=Yes, RoHS Compliant=Yes, Series=SJ, Shielding=Shielded, Supplier 1="Arrow Electronics", Supplier Part Number 1=SJ-435107, Termination=Solder
J25 J26: library part TP_ARRAY_1X10, "None", AMBIQ PN=TP_ARRAY_1X10
J29: "None", Manufacturer=Tag-Connect, Package Quantity=1, Supplier Part Number 1=TC2030-IDC-ND, AMBIQ PN=TC2030-IDC, Category=Connectors, ComponentLink1Description=http://www.tag-connect.com/Materials/TC2030-IDC.pdf?src-supplier=Digi-Key, ComponentLink1URL=http://www.tag-connect.com/Materials/TC2030-IDC.pdf?src-supplier=Digi-Key, Manufacturer Part Number=TC2030-IDC, Pricing 1="1=42.44000 (USD)", RoHS=Yes, Stock 1=778, Supplier 1=Digi-Key
L1: library part DFE201210U-2R2M=P2, "NONE", Case/Package=0805, Manufacturer=Murata, Manufacturer Part Number=DFE201210U-2R2M=P2, AMBIQ PN=DFE201210U-2R2M=P2, Category="Fixed Inductors", ComponentLink1Description=http://search.murata.co.jp/Ceramy/image/img/P02/J(E)TE243A-0029_DFE201210U_reference.pdf?src-supplier=Digi-Key, ComponentLink1URL=http://search.murata.co.jp/Ceramy/image/img/P02/J(E)TE243A-0029_DFE201210U_reference.pdf?src-supplier=Digi-Key, Pricing 1="1=0.40140, 10=0.29940, 25=0.27320, 100=0.22140 (USD)", RoHS=Yes, RoHS Compliant=Yes, Stock 1=206, Supplier 1="Arrow Electronics", Supplier Part Number 1=DFE201210U-2R2M=P2
L2: library part DFE18SAN1R0ME0L, "NONE", Case Code (Imperial)=0603, Case Code (Metric)=1608, Current Rating=1.6A, DC Resistance (DCR)=144mR, Manufacturer=Murata, Max Operating Temperature=85癈, Min Operating Temperature=-40癈, Saturation Current=2A, Test Frequency=1MHz, Tolerance=20%, AMBIQ PN=DFE18SAN1R0ME0L, Case/Package=0603, Category="Fixed Inductors", ComponentLink1Description=http://www.farnell.com/datasheets/2616752.pdf?src-supplier=Farnell, ComponentLink1URL=http://www.farnell.com/datasheets/2616752.pdf?src-supplier=Farnell, ComponentLink2Description=http://search.murata.co.jp/Ceramy/image/img/P02/JETE243A-0037.pdf?src-supplier=Digi-Key, ComponentLink2URL=http://search.murata.co.jp/Ceramy/image/img/P02/JETE243A-0037.pdf?src-supplier=Digi-Key, ComponentLink3Description=http://www.farnell.com/datasheets/2616752.pdf?src-supplier=Newark, ComponentLink3URL=http://www.farnell.com/datasheets/2616752.pdf?src-supplier=Newark, ComponentLink4Description=http://www.farnell.com/datasheets/2616752.pdf?src-supplier=Element14, ComponentLink4URL=http://www.farnell.com/datasheets/2616752.pdf?src-supplier=Element14, Core Material=Metal, Inductance=1uH, Manufacturer Part Number=DFE18SAN1R0ME0L, Mount="Surface Mount", Packaging="Cut Tape", Pricing 1="3000=0.16860 (USD)", RoHS=Yes, RoHS Compliant=Yes, Shielding=Shielded, Stock 1=21000, Supplier 1="Arrow Electronics", Supplier Part Number 1=DFE18SAN1R0ME0L